# Allegro board MB1219_REVB_160112.brd (continued)
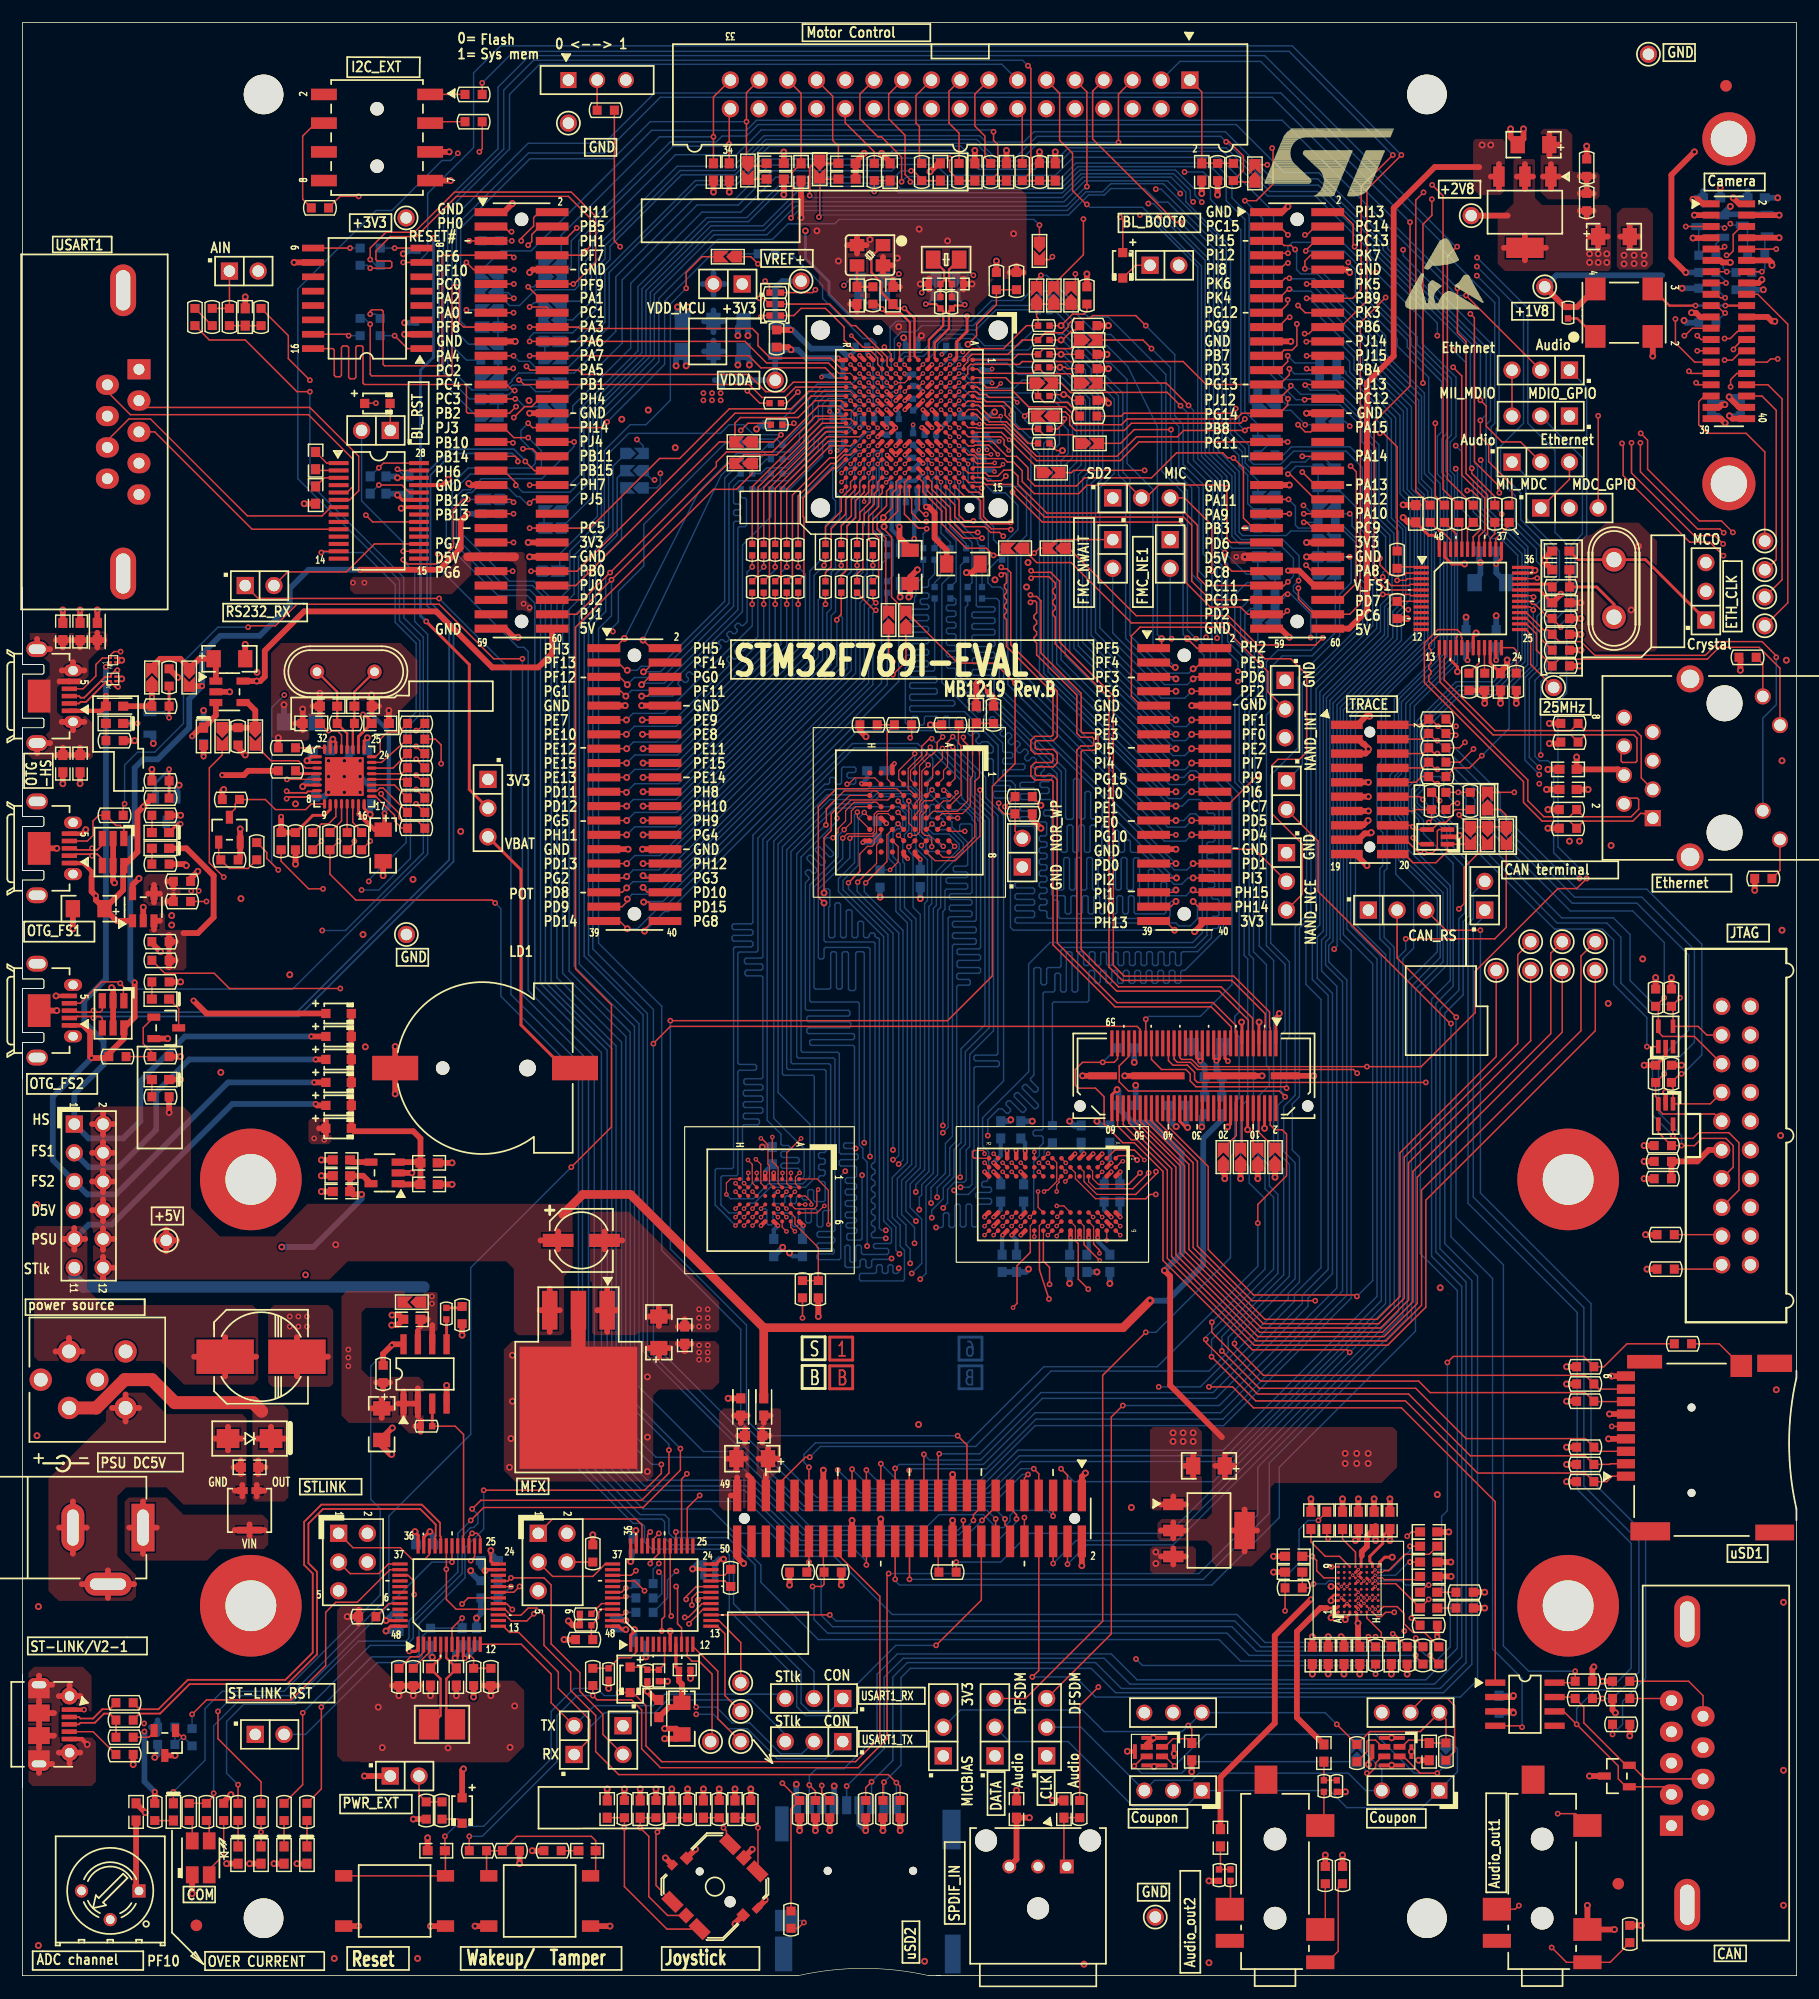
[diagram p0: board, top side]
## Routing (per net, layer and track width the routed paths; a pad name or vN(x,y) marks a point on that pad's centre or on a via; arc(x,y) is an arc through that point) (continued)
  L4_SIG w0.102: v3(73.21,132.89) 73.41,132.69 73.41,129.79 71.5,127.89 66.02,127.89 63.69,130.23 50.32,130.23 49.38,131.17 46.18,131.17 45.06,132.28 44.65,132.28 44.17,131.8 v1(43.61,131.8) ; v1(124.61,157.1) 123.11,157.1 122.2,158.01 107.47,158.01 105.79,156.34 104.04,156.34 v1(103.5,156.87) ; v1(113.41,137.16) 115.14,137.16 118.82,140.84 v1(123.83,140.84)
  BOTTOM w0.127: v1(103.5,156.87) 103.25,157.12 103.25,157.86 101.76,159.35 93.61,159.35 91.92,157.66 77.47,157.66 76.89,158.24 67.31,158.24 64.19,155.12 60.71,155.12 54.76,149.17 54.76,143.54 49.63,138.4 49.63,132.41 48.41,131.19 44.22,131.19 v1(43.61,131.8) ; 111,138.56 111.12,138.43 112.14,138.43 v1(113.41,137.16) 114.53,137.16 SB55.1
PH7: length 166.1
  TOP w0.127: R46.2 123.19,131.32 123.19,157.02 v1(123.88,157.71) ; v3(74.01,132.89) U4.N13 ; CN5.40 v1(44.83,131.83)
  L4_SIG w0.102: v1(44.83,131.83) 45.92,130.73 49.25,130.73 50.14,129.84 63.53,129.84 65.87,127.51 71.81,127.51 74.01,129.71 v3(74.01,132.89) ; v1(123.88,157.71) 123.29,158.29 107.24,158.29 105.79,156.84 v1(104.27,156.84)
  BOTTOM w0.127: v1(44.83,131.83) 48.36,131.83 49.28,132.74 49.28,138.56 54.41,143.69 54.41,149.38 60.5,155.47 64.03,155.47 67.08,158.52 77.16,158.52 77.67,158.01 91.82,158.01 93.49,159.68 101.94,159.68 103.66,157.96 103.66,157.45 v1(104.27,156.84)
PI4: length 135.6
  TOP w0.102: 93.09,65.01 93.09,66.26 U15.F8
  TOP w0.127: 93.09,65.01 93.34,64.75 93.34,61.59 v1(94.23,60.71) ; v3(82.81,141.69) U4.C3 ; CN11.17 v4(101.98,107.24)
  L4_SIG w0.102: v4(101.98,107.24) 102.46,107.72 104.85,107.72 106.78,105.79 106.78,83.59 107.44,82.93 107.44,73.66 106.78,73 106.78,67.44 106.65,67.31 105.79,67.31 105.66,67.44 105.66,68.96 105.54,69.09 105.29,69.09 105.16,68.96 105.16,67.43 105.04,67.31 104.88,67.31 104.76,67.43 104.76,69.77 104.65,69.88 104.45,69.88 104.35,69.77 104.35,68.96 104.25,68.86 104.05,68.86 103.94,68.96 103.94,69.77 103.84,69.88 103.64,69.88 103.54,69.77 103.54,68.96 103.44,68.86 103.23,68.86 103.13,68.96 103.13,69.77 103.03,69.88 102.83,69.88 102.72,69.77 102.72,68.96 102.62,68.86 102.42,68.86 102.32,68.96 102.32,69.77 102.22,69.88 102.01,69.88 101.91,69.77 101.91,68.96 101.81,68.86 101.61,68.86 101.51,68.96 101.51,69.77 101.4,69.88 101.2,69.88 101.1,69.77 101.1,68.96 101,68.86 100.79,68.86 100.69,68.96 100.69,69.77 100.59,69.88 99.87,69.88 99.75,69.75 99.75,65.58 94.87,60.71 v1(94.23,60.71)
  BOTTOM w0.127: v3(82.81,141.69) 83.23,141.69 84.53,140.39 87.68,140.39 88.39,141.1 90.55,141.1 91.44,140.21 91.44,139.6 91.84,139.21 92.41,139.21 92.84,138.78 92.84,134.24 92.2,133.6 92.2,116.71 101.68,107.24 v4(101.98,107.24)
PI5: length 134.8
  TOP w0.102: U15.F2 92.66,71.43 93.09,70.99 93.09,70.48 94.87,68.71 97.73,68.71
  TOP w0.127: CN11.15 v4(101.98,108.51) ; v3(82.01,141.69) U4.D3 ; v1(100.2,69.09) 99.69,69.09 99.31,68.71 97.73,68.71
  L4_SIG w0.102: v1(100.2,69.09) 100.13,69.01 100.13,66.67 100.25,66.55 100.46,66.55 100.58,66.67 100.58,68.43 100.71,68.55 100.89,68.55 101.02,68.43 101.02,66.67 101.14,66.55 101.31,66.55 101.43,66.67 101.43,68.45 101.53,68.55 101.73,68.55 101.83,68.45 101.83,66.67 101.95,66.55 102.12,66.55 102.24,66.67 102.24,68.45 102.34,68.55 102.55,68.55 102.65,68.45 102.65,66.67 102.77,66.55 102.93,66.55 103.05,66.67 103.05,68.45 103.16,68.55 103.36,68.55 103.46,68.45 103.46,66.67 103.58,66.55 103.75,66.55 103.87,66.67 103.87,68.45 103.97,68.55 104.17,68.55 104.27,68.45 104.27,66.55 104.4,66.42 107.04,66.42 107.16,66.55 107.16,72.87 107.82,73.53 107.82,83.16 107.16,83.82 107.16,106.12 105.26,108.03 102.08,108.03 101.98,108.13 v4(101.98,108.51)
  BOTTOM w0.127: v3(82.01,141.69) 82.41,142.09 83.74,142.09 84.27,142.61 87.03,142.61 88.04,141.6 91.12,141.6 91.46,141.27 91.46,141.27 93.6,139.13 93.6,133.6 92.96,132.97 92.96,117.4 101.85,108.51 v4(101.98,108.51)
PI8: length 231.3
  TOP w0.127: CN6.9 111.15,150.88 111.73,151.46 v1(111.89,151.46) ; U4.C2 v3(82.81,142.49)
  L4_SIG w0.102: v1(128.61,151.94) 113.06,151.94 112.57,151.46 v1(111.89,151.46) 111.84,151.51 110.26,151.51 109.55,152.22 93.55,152.22 91.57,150.24 91.57,148.84 90.3,147.57 86.11,147.57 82.73,144.2 82.73,142.57 v3(82.81,142.49) ; v1(57.81,35.76) 58.14,35.43 69.34,35.43 71.88,37.97 86.74,37.97 99.44,50.67 105.92,50.67 117.12,61.87 117.12,85.85 125.6,94.34 125.6,95.17 132.54,102.11 132.54,106.25 v1(134.24,107.95)
  BOTTOM w0.127: v1(134.24,107.95) 134.24,114.43 135.51,115.7 135.51,119.89 136.53,120.9 136.53,126.62 135.51,127.64 135.51,134.87 133.1,137.29 133.1,147.46 v1(128.61,151.94) ; R296.1 57.02,33.4 57.02,34.98 v1(57.81,35.76)
PI12: length 209.2
  TOP w0.127: U4.E3 v3(81.21,141.69) ; CN6.7 111.1,152.15 111.28,152.32 v1(111.89,152.32) ; v1(78.42,35.05) CN18.26
  L4_SIG w0.102: v1(111.89,152.32) 110.49,152.32 109.96,152.86 92.66,152.86 90.55,150.75 90.55,149.86 89.28,148.59 86.03,148.59 81.97,144.53 81.97,143.76 81.65,143.45 81.65,142.13 v3(81.21,141.69)
  BOTTOM w0.127: v1(78.42,35.05) 104.39,35.05 110.24,40.89 110.24,45.34 122.81,57.91 122.81,87.5 125.35,90.04 125.35,95.5 121.92,98.93 121.92,102.23 121.62,102.54 121.62,105.99 121.92,106.3 121.92,112.62 125.96,116.66 125.96,132.46 125.48,132.94 125.48,135.92 125.96,136.4 125.96,141.05 122.77,144.24 122.77,144.82 118.75,148.84 118.75,151.26 116.71,153.29 112.27,153.29 111.89,152.91 v1(111.89,152.32)
PI13: length 216.5
  TOP w0.127: v1(77.15,35.05) CN18.28 ; v1(117.78,152.91) 117.65,153.03 117.65,154.86 116.56,155.96 CN6.2 ; U4.G3 v3(79.61,141.69)
  L4_SIG w0.102: v3(79.61,141.69) 79.61,141.75 80.04,142.18 80.04,144.04 80.52,144.53 80.52,146.05 82.68,148.21 84.2,148.21 85.98,149.99 88.39,149.99 91.97,153.57 110.49,153.57 110.9,153.16 117.53,153.16 v1(117.78,152.91)
  BOTTOM w0.127: v1(77.15,35.05) 77.15,34.92 77.53,34.54 105.16,34.54 111.12,40.51 111.12,44.96 123.16,57 123.16,87.22 125.6,89.66 125.6,95.76 122.17,99.19 122.17,102.44 121.87,102.74 121.87,105.61 122.3,106.05 122.3,112.5 126.34,116.54 126.34,132.54 125.86,133.02 125.86,135.76 126.34,136.25 126.34,141.22 123.3,144.26 123.3,144.92 119.13,149.1 119.13,151.56 v1(117.78,152.91)
PI14: length 165.8
  TOP w0.127: CN18.32 v1(74.61,36.32) ; v1(44.7,137.29) 45.09,136.91 CN5.32 51.18,136.91 v1(51.69,137.41)
  BOTTOM w0.127: v1(74.61,36.32) 74.61,36.64 73.66,37.59 68.45,37.59 64.11,41.94 54.97,41.94 51.18,45.72 51.18,81.64 45.29,87.53 45.29,121.08 45.28,121.09 45.28,121.39 44.62,122.05 42.04,122.05 37.47,126.62 37.47,131.4 39.39,133.32 44.93,133.32 45.34,133.73 45.34,134.59 44.07,135.86 44.07,136.65 v1(44.7,137.29) ; R228.1 60.96,152.27 56.77,148.08 56.77,142.49 v1(51.69,137.41)
PK7: length 235.9
  TOP w0.127: CN6.8 113.89,152.15 113.39,151.64 v1(113.39,150.95) ; R162.2 v1(82.55,36.58) ; U4.C4 v3(82.81,140.89) ; v1(117.35,55.12) 117.12,55.35 108.74,55.35 100.84,63.25 100.84,71.12 98.3,73.66 97.28,73.66 95.63,75.31 95.63,77.72 94.87,78.49 93.34,78.49 93.09,78.74 93.09,80.14 93.73,80.77 v1(95.5,80.77) 96.52,80.77 96.82,81.07 CN15.57
  L4_SIG w0.102: v1(113.39,150.95) 113.06,150.62 108.25,150.62 106.35,148.72 94.11,148.72 93.09,147.7 91.57,147.7 87.2,143.33 85.34,143.33 82.9,140.89 v3(82.81,140.89)
  BOTTOM w0.127: v1(95.5,80.77) R290.1 ; v1(113.39,150.95) 114.6,150.95 120.52,145.03 120.52,143.38 123.95,139.95 123.95,132.84 124.84,131.95 124.84,117.47 120.52,113.16 120.52,106.93 120.14,106.55 120.14,101.85 120.65,101.35 120.65,97.92 120.4,97.66 120.4,91.82 121.28,90.93 121.28,59.05 v1(117.35,55.12) 101.35,39.12 89.03,39.12 86.49,36.58 v1(82.55,36.58)
PWR_ENN: length 14.9
  TOP w0.127: R155.2 38.25,48.59 38.99,47.85 38.99,38.89 38.97,38.87 U21.28
  TOP w0.254: U17.3 R155.2
RESET#: length 398.4
  TOP w0.127: R125.2 20.71,100.2 21.59,99.33 21.59,98.81 v1(22.61,97.79) ; v1(133.58,120.78) 133.31,121.04 U6.29 ; R102.2 126.62,106.81 127.94,106.81 v1(129.03,107.89) ; U4.J1 77.54,142.96 77.54,144.21 v3(77.5,144.25) ; CN18.36 72.07,37.27 75.8,33.55 75.8,21.07 73.65,18.92 56.52,18.92 55.12,20.32 55.12,23.88 53.96,25.04 D14.2 v1(52.7,25.04) ; v1(31.24,139.06) 30.27,139.06 D2.1 ; v1(37.34,12.32) C99.2 37.39,10.99 B1.3 B1.2 ; U21.18 39.4,33.41 v1(38.86,32.87)
  L4_SIG w0.102: v1(52.7,25.04) 52.7,25.65 50.79,27.56 44.68,27.56 41.12,31.11 39.62,31.11 39.37,31.37 39.37,32.36 v1(38.86,32.87) 36.55,32.87 32.84,36.57 32.84,43.05 30.81,45.09 30.81,63.04 27.56,66.29 27.56,86.61 27.33,86.84 27.33,93.07 v1(22.61,97.79) ; v1(23.14,113.26) 22.05,114.35 22.05,118.06 30.86,126.87 30.86,135.13 31.24,135.51 v1(31.24,139.06) 31.24,141.73 35.46,145.95 35.46,146.36 42.51,153.42 v1(43.26,153.42) 43.28,153.42 43.76,153.9 54.74,153.9 55.27,153.37 68,153.37 74.42,146.94 76.07,146.94 76.96,146.05 76.96,145.03 77.5,144.5 v3(77.5,144.25) 77.78,143.97 79.45,143.97 80.14,144.65 80.14,146.3 82.42,148.59 84.07,148.59 85.72,150.24 87.91,150.24 91.59,153.92 110.97,153.92 111.4,153.49 118.16,153.49 119.02,152.63 v1(122.07,152.63)
  BOTTOM w0.127: v1(43.26,153.42) R226.1 ; v1(129.03,107.89) 131.44,110.31 131.44,113.79 133.58,115.93 v1(133.58,120.78) 133.58,121.01 134.37,121.79 134.37,124.59 133.86,125.09 133.86,126.17 131.31,128.73 130.56,128.73 129.41,129.87 129.41,137.16 129.79,137.54 129.79,144.4 122.07,152.12 v1(122.07,152.63) ; v1(37.34,12.32) 38.23,13.21 40.77,13.21 46.74,19.18 46.74,23.37 48.77,25.4 50.8,25.4 51.44,24.77 52.43,24.77 v1(52.7,25.04) ; v1(22.61,97.79) 22.02,98.37 22.02,112.14 v1(23.14,113.26)
STL_USB_DM: length 45.4
  TOP w0.155: R187.2 10.35,23.56 12,23.56 14.61,26.16 23.24,26.16 25.65,28.57 25.65,35.56 24.89,36.32 24.89,40.13 26.42,41.66 35.31,41.66 36.91,40.05 36.91,38.9 36.97,38.84 U21.32
STL_USB_DP: length 44.8
  TOP w0.155: R188.2 10.35,23.18 12.16,23.18 14.76,25.78 23.4,25.78 26.04,28.42 26.04,35.72 25.27,36.48 25.27,39.97 26.57,41.27 35.15,41.27 36.53,39.89 36.53,38.9 36.47,38.84 U21.33
STLINK_RX: length 39.2
  TOP w0.127: U21.13 42.5,30.9 43.05,30.35 43.87,30.35 47.37,26.85 47.37,25.4 50.16,22.61 50.16,20.95 CN23.1
  BOTTOM w0.127: JP26.3 67.44,21.34 64.39,24.38 57.02,24.38 55.88,23.24 51.44,23.24 50.04,21.84 50.04,20.83 CN23.1
STLINK_TX: length 32.8
  TOP w0.127: U21.12 44.1,29.3 46.74,26.67 46.74,24.13 CN23.2
  BOTTOM w0.127: CN23.2 50.55,23.88 55.75,23.88 56.77,24.89 67.06,24.89 JP21.3
STM_JTCK_SWCLK: length 6.2
  TOP w0.127: CN20.3 28.96,35.56 31.5,35.56 32.34,36.41 U21.37
STM_JTMS_SWDIO: length 9.9
  TOP w0.127: U21.34 35.97,37.24 35.56,36.83 34.42,36.83 33.4,37.85 29.21,37.85 CN20.1
STM_RST: length 24.3
  TOP w0.127: v1(38.86,31.62) 37.97,30.73 U21.7
  BOTTOM w0.127: v1(38.86,31.62) C177.2 R297.1 35.31,29.97 35.31,28.19 34.8,27.69 31.37,27.69 25.02,21.34 JP28.2
T_JRST: length 211.7
  TOP w0.127: R110.2 126.42,103.68 v1(126.87,103.68) ; v1(43.94,34.42) 43.43,33.9 U21.19 ; SB16.1 92.74,132.92 92.94,133.12 v1(99.21,133.12)
  L4_SIG w0.102: v1(99.21,133.12) 106.35,133.12 107.14,132.33 112.24,132.33 112.75,131.83 119.76,131.83 121.74,133.81 128.7,133.81 v1(128.93,134.04) ; v1(43.94,34.42) 44.45,34.42 45.21,35.18 48.39,35.18 50.93,37.72 50.93,39.8 53.42,42.29 58.8,42.29 60.66,44.15 80.16,44.15 82.14,46.13 86.08,46.13 98.78,58.83 105.05,58.83 108.51,62.28 108.51,71.75 109.25,72.49 109.25,77.34 110.11,78.21 110.11,85.34 115.24,90.47 115.24,95.91 118.19,98.86 124.13,98.86 124.61,99.34 124.61,101.42 v1(126.87,103.68)
  BOTTOM w0.127: v1(126.87,103.68) 126.67,103.68 125.65,104.7 125.65,105.71 125.32,106.05 124.54,106.05 124.23,106.35 124.23,110.39 127.13,113.28 130.43,113.28 133.1,115.95 133.1,126.36 131.14,128.32 130.45,128.32 129.03,129.74 129.03,133.93 v1(128.93,134.04)
U5V_ST_LINK: length 36.3
  TOP w0.508: 35.83,58.04 C54.2 35.18,57.43 ; U17.7 34.95,57.02 ; 36.22,57.53 U17.6
  BOTTOM w1.016: 35.48,60.91 5.38,60.91 4.57,61.72 JP20.11
  vias: v1(36.2,60.07) v1(36.2,59.44)
USB_RENUMN: length 27.7
  TOP w0.127: U21.38 32.48,35.9 29.59,33.02 27.69,33.02 26.8,32.13 26.8,27.43 23.75,24.38 16.26,24.38 v1(14.99,23.11)
  BOTTOM w0.127: R299.2 v1(14.99,23.11)
VREF+: length 16.3
  TOP w0.381: U4.P1 73.61,142.89 v3(73.21,143.29)
  TOP w0.508: R33.2 v1(67.94,145.54)
  BOTTOM w0.381: v3(73.21,143.29) 73.21,143.31 73.66,143.76 C108.2
  BOTTOM w0.508: v3(73.21,143.29) 72.87,143.29 72.26,143.89 69.72,143.89 68.07,145.54 v1(67.94,145.54) 67.18,146.3 C103.1 66.55,149.22 67.18,149.86 TP5.1
VUSB_ST_LINK: length 85.9
  TOP w0.381: CN22.1 v1(5.43,23.52)
  TOP w0.508: 31.75,49.33 C58.1 ; C58.1 30.78,50.16 ; C58.1 31.75,51 ; C58.1 32.72,50.16 ; R155.1 35.2,49.07 ; R155.1 34.72,48.59 ; R155.1 35.2,48.11 ; 26.2,74.93 D12.1 ; D12.1 26.82,74.32 ; D12.1 26.82,75.54 ; U17.2 34.95,51.94 ; U17.2 34.95,49.5 ; U17.2 34.47,50.59 ; 33.68,49.5 U17.1 ; U17.1 34.16,50.59 ; U17.1 33.68,51.68 ; U17.1 33.2,50.59 ; 31.88,51.85 R152.1 ; R152.1 32.49,52.45 ; R152.1 31.27,52.45 ; R209.1 v1(11.68,16.26)
  L4_SIG w1.016: 28.83,56.39 28.83,60.83 25.4,64.26 25.4,72.52 25.78,72.9 v1(25.78,74.04) ; 11.68,22.48 14.99,25.78 22.99,25.78 26.15,28.94 26.15,43.19 28.83,45.87 28.83,52.73
  BOTTOM w0.508: R298.2 11.94,22.58 ; R298.2 11.34,21.97 ; R298.2 11.94,21.36 ; v1(11.68,16.26) 10.77,17.17 v1(10.77,21.59)
  vias: v1(10.74,22.3) v1(26.67,73.91) v1(28.8,55.37) v1(28.8,54.66) v1(28.8,53.9)

## Copper pours and planes (outline as drawn; the poured copper is in the pictures)
+1V8 on TOP: 105.16,36.58 105.16,37.97 104.65,38.48 100.58,38.48 100.33,38.73 100.33,40.01 100.71,40.39 104.65,40.39 105.16,40.89 105.16,48.21 105.46,48.51 121.16,48.51 121.54,48.13 121.54,44.96 120.14,43.56 110.74,43.56 110.36,43.18 110.36,37.87 108.69,36.2 105.54,36.2
+1V8 on BOTTOM: 115.7,47.75 120.52,47.75 121.28,46.99 121.28,32.72 119.05,30.48 115.82,30.48 114.94,31.37 114.94,46.99
+1V8 on BOTTOM: 154.56,159.38 154.81,159.13 154.81,156.72 154.56,156.46 148.13,156.46 147.32,155.65 147.32,119.13 139.01,110.82 139.01,100.3 138.53,99.82 136.4,99.82 136.02,100.2 136.02,111.46 143.89,119.33 143.89,153.85 143.76,153.97 143.76,158.37 144.78,159.38
+1V8 on L4_SIG: 135.89,101.47 137.79,101.47 138.3,100.97 138.3,97 131.42,90.12 130,90.12 123.06,83.19 123.06,47.75 119.51,44.2 116.46,44.2 115.82,44.83 115.82,45.97 119.25,49.4 119.25,85.98 128.79,95.52 129.93,95.52
+2V8 on TOP: 140.08,156.59 140.46,156.21 140.46,151 140.21,150.75 131.06,150.75 130.43,151.38 130.43,155.32 131.83,156.72 131.83,160.53 131.95,160.66 133.6,160.66 133.73,160.53 133.73,157.23 134.37,156.59
+2V8 on L3_VCC: 136.76,137.16 134.87,139.04 134.87,156.1 137.27,158.5 156.34,158.5 156.34,148.34 156.34,148.33 156.34,146.18 156.21,146.05 153.03,146.05 152.15,145.16 152.15,137.77 151.53,137.16
+3V3 on TOP: 99.69,35.81 99.69,37.72 99.95,37.97 103.5,37.97 103.76,37.72 103.76,35.81 103.5,35.56 99.95,35.56
+3V3 on TOP: 43.31,56.13 61.21,56.13 61.59,55.75 61.59,52.45 60.96,51.82 56.26,51.82 55.75,51.31 55.75,44.2 55.24,43.69 43.56,43.69 42.55,44.7 42.55,55.37
+3V3 on L3_VCC: 0.51,0.51 0.51,13.93 29.55,13.93 31.33,15.72 31.33,26.01 31.97,26.65 40.54,26.65 42.5,28.61 42.5,40.06 41.02,41.54 26.76,41.54 24.07,44.24 24.07,69.76 22.46,71.36 0.51,71.36 0.51,82.03 2,82.03 2.39,82.43 2.39,83.5 2,83.9 0.51,83.9 0.51,86.78 2,86.78 2.39,87.18 2.39,88.25 2,88.65 0.51,88.65 0.51,96.39 2,96.39 2.39,96.78 2.39,97.86 2,98.25 0.51,98.25 0.51,101.14 2,101.14 2.39,101.53 2.39,102.61 2,103 0.51,103 0.51,106.93 5.95,106.93 6.6,107.59 6.6,111.1 5.95,111.76 3.41,111.76 3.3,111.87 3.3,113.69 3.41,113.79 5.19,113.79 6.35,114.96 6.35,116.1 6.96,116.71 7.34,116.71 8,117.37 8,118.85 7.6,119.25 0.51,119.25 0.51,172.21 156.34,172.21 156.34,159 137.05,159 134.37,156.32 134.37,138.83 136.55,136.65 151.74,136.65 152.65,137.56 152.65,144.91 153.29,145.54 155.96,145.54 156.34,145.16 156.34,52.91 155.69,47.08 156.34,41.24 156.34,0.51 80.38,0.51 79.58,0.68 78.11,0.92 76.64,1.08 75.27,1.17 74.17,1.19 72.88,1.14 71.63,1.06 70.39,0.89 69,0.67 68.5,0.51 ; 1 cut-out
+3V3_ST_LINK on L3_VCC: 0.51,14.44 0.51,70.86 22.25,70.86 23.56,69.55 23.56,44.03 26.55,41.03 40.81,41.03 42,39.85 42,28.82 40.33,27.16 31.76,27.16 30.83,26.22 30.83,15.93 29.34,14.44
+5V on TOP: 130.68,157.48 128.78,157.48 128.27,157.99 128.27,162.23 128.47,162.43 130.86,162.43 131.06,162.23 131.06,157.86
+5V on TOP: 28.75,63.17 27.15,61.57 6.58,61.57 6.02,62.13 6.02,76.35 6.54,76.87 14.21,76.87 14.88,76.2 14.88,67.92 17.42,65.38 22.33,65.38 25.21,68.26 48.2,68.26 48.64,67.82 48.64,62.61 47.88,61.85 47.88,56.9 47.62,56.64 43.81,56.64 43.43,57.02 43.43,62.48 42.75,63.17
+5V on BOTTOM: 13.84,92.15 12.09,92.15 11.68,92.56 11.68,97.97 16.59,102.87 16.59,115.16 17.22,115.8 21.01,115.8 21.21,115.6 21.21,114.17 19.91,112.88 19.91,102.57 14.05,96.7 14.05,92.35
+5V on L4_SIG: 130.07,161.59 128.57,161.59 128.32,161.85 128.32,167.94 125.93,170.33 115.44,170.33 110.39,165.28 109.65,165.28 107.92,167 71.27,167 69.9,168.38 30.23,168.38 28.92,167.07 28.92,156.53 28.57,156.18 28.57,149.61 19.3,140.34 19.3,119.38 21.36,117.32 21.36,112.93 21.08,112.65 18.03,112.65 12.57,118.11 12.57,142.94 25.34,155.7 25.34,168.16 28.42,171.25 113.42,171.25 114.16,171.98 127.91,171.98 130.33,169.57 130.33,161.85
+5V on L4_SIG: 8.66,97.46 13.21,97.46 13.74,96.93 13.74,76.48 8.89,71.63 6.38,71.63 6.05,71.96 6.05,76.63 10.64,81.23 10.64,94.36 10.19,94.82 8.81,94.82 8.51,95.12 8.51,97.31
D5V on TOP: 106.93,125.98 108.08,125.98 108.2,125.86 108.2,124.97 108.08,124.84 106.93,124.84 106.81,124.97 106.81,125.86
D5V on TOP: 39.67,125.68 39.67,123.88 37.97,122.17 29.34,122.17 28.96,122.56 28.96,123.44 29.21,123.7 36.96,123.7 39.12,125.86 39.5,125.86
D5V on TOP: 42.93,125.91 44.22,125.91 44.58,125.55 44.58,121.62 45.06,121.13 45.06,120.7 44.88,120.52 43.97,120.52 43.64,120.85 43.64,122.58 43.66,122.61 43.66,124.69 43.31,125.04 43.03,125.04 42.93,125.15
D5V on BOTTOM: 14.68,95.22 15.21,95.22 21.54,101.55 21.54,112.12 22.89,113.46 22.89,116.71 28.47,122.3 30.48,122.3 30.73,122.56 30.73,123.32 30.35,123.7 27.69,123.7 21.84,117.86 21.84,113.92 20.42,112.5 20.42,102.06 14.43,96.06 14.43,95.48
D5V on L4_SIG: 106.93,125.98 108.33,125.98 108.58,125.73 108.58,124.59 105.92,121.92 97.16,121.92 95,119.76 62.36,119.76 60.2,121.92 48.23,121.92 46.58,120.27 44.07,120.27 43.94,120.4 43.94,121.54 44.2,121.79 45.82,121.79 46.96,122.94 60.83,122.94 62.74,121.03 94.11,121.03 96.14,123.06 104.9,123.06 106.81,124.97 106.81,125.86
D5V on L4_SIG: 14.71,96.47 15.6,96.47 15.82,96.24 15.82,73.36 8.64,66.17 3.81,66.17 3.4,66.57 3.4,68.99 3.73,69.32 8.36,69.32 14.58,75.54 14.58,96.34
GND on TOP (solid shape): 106.68,72.04 106.68,71.12 105.66,71.12 105.66,72.04 106.17,72.55
GND on TOP (solid shape): 108.2,72.04 108.2,71.12 107.19,71.12 107.19,72.04 107.7,72.55
GND on TOP (solid shape): 109.73,72.04 109.73,71.12 108.71,71.12 108.71,72.04 109.22,72.55
GND on TOP (solid shape): 111.25,72.04 111.25,71.12 110.24,71.12 110.24,72.04 110.74,72.55
GND on TOP: 54.48,56.9 54.23,56.64 50.55,56.64 50.36,56.83 50.36,61.28 50.16,61.47 50.16,67.31 50.42,67.56 53.59,67.56 61.59,59.56 61.59,57.15 61.34,56.9
GND on TOP: 0.89,16.76 0.51,17.14 0.51,26.8 1.02,27.3 5.33,27.3 6.1,26.54 6.1,23.37 3.3,23.37 3.18,23.24 3.18,21.08 6.1,21.08 6.48,20.7 6.48,17.14 6.1,16.76
GND on TOP: 141.48,156.34 143.64,156.34 144.15,155.83 144.15,151.38 143.64,150.88 141.22,150.88 140.97,151.13 140.97,155.83
GND on TOP: 68.55,152.3 68.55,156.95 69.6,157.99 88.27,157.99 88.77,157.48 88.77,150.24 88.58,150.05 85.92,150.05 85.34,149.48 85.34,148.59 84.2,147.45 84.2,146.94 81.79,144.53 77.6,144.53 77.47,144.65 77.47,144.91 75.95,146.43 73.53,146.43 70.41,149.56 70.41,150.44 ; 2 cut-outs
GND on TOP: 22.23,59.31 27,59.31 27.46,58.85 27.46,52.35 27.18,52.07 22.1,52.07 21.72,52.45 21.72,58.8
GND on TOP: 22.86,117.86 33.4,117.86 34.92,116.33 34.92,113.41 32.89,111.38 30.48,111.38 30.48,112.78 26.8,112.78 26.8,111.38 25.53,111.38 25.34,111.19 25.34,109.41 25.15,109.22 22.35,109.22 21.97,109.6 21.97,116.97
GND on TOP: 42.95,18.87 29.92,18.87 29.87,18.92 28.32,18.92 27.81,19.43 27.81,32.33 28.12,32.64 30,32.64 30.34,32.3 30.34,28.63 32.88,26.09 43.48,26.09 44.35,25.22 44.35,20.27 ; 1 cut-out
GND on TOP: 99.69,41.4 99.69,48.26 99.95,48.51 103.89,48.51 104.27,48.13 104.27,41.4 104.01,41.15 99.95,41.15
GND on TOP: 144.53,126.87 144.53,117.35 144.27,117.09 137.79,117.09 137.29,117.6 137.29,126.49 137.34,126.49 138.1,127.23 138.79,127.48 139.6,128.09 140,128.5 142.9,128.5
GND on BOTTOM: 31.22,25.98 43.89,25.98 44.86,25.02 44.86,19.86 44.22,19.23 30.99,19.23 30.53,19.68 30.53,25.3
GND on BOTTOM: 24.92,117.91 32.44,117.91 33.63,116.71 33.63,112.55 32.64,111.56 24.43,111.56 24.42,111.57 24.23,111.57 23.94,111.86 22.66,111.86 22.56,111.96 22.56,112.34 23.22,113 23.22,116.2
GND on L2_GND: 0.51,0.51 0.51,82.03 2,82.03 2.39,82.43 2.39,83.5 2,83.9 0.51,83.9 0.51,86.78 2,86.78 2.39,87.18 2.39,88.25 2,88.65 0.51,88.65 0.51,96.39 2,96.39 2.39,96.78 2.39,97.86 2,98.25 0.51,98.25 0.51,101.14 2,101.14 2.39,101.53 2.39,102.61 2,103 0.51,103 0.51,106.93 5.95,106.93 6.6,107.59 6.6,111.1 5.95,111.76 3.41,111.76 3.3,111.87 3.3,113.69 3.41,113.79 5.19,113.79 6.35,114.96 6.35,116.1 6.96,116.71 7.34,116.71 8,117.37 8,118.85 7.6,119.25 0.51,119.25 0.51,172.21 156.34,172.21 156.34,52.91 155.69,47.08 156.34,41.24 156.34,0.51 80.32,0.51 79.89,0.61 78.57,0.85 77.48,1 76.48,1.09 74.91,1.19 73.63,1.18 72.83,1.16 71.88,1.07 70.18,0.86 69.46,0.74 68.51,0.51
GND on L4_SIG: 56.64,139.57 58.93,137.29 65.99,137.29 66.55,136.73 66.55,135.13 66.04,134.62 56.54,134.62 54.31,136.86 44.53,136.86 43.99,137.39 43.99,138.4 44.18,138.6 44.18,139.23 44.53,139.57
GND on L4_SIG: 49.91,82.42 53.34,78.99 53.34,69.34 64.9,57.78 88.14,57.78 88.77,57.15 88.77,49.66 87.25,48.13 79.76,48.13 76.23,44.6 71.91,44.6 71.63,44.32 58.45,44.32 56.79,42.67 52.96,42.67 49.85,39.56 49.85,38.04 49.63,37.82 42.81,37.82 41.9,38.73 36.07,38.73 35.81,39 35.81,44.82 33.77,46.86 33.77,65.93 29.72,69.98 29.72,93.42 39.5,103.2 39.5,105.28 43.43,109.22 48.51,109.22 49.91,107.82
GND on L4_SIG: 1.14,0.64 0.64,1.14 0.64,81.76 0.81,81.94 2.01,81.94 2.49,82.42 2.49,83.52 1.98,84.02 0.66,84.02 0.56,84.12 0.56,86.41 0.76,86.61 2.01,86.61 2.57,87.17 2.57,88.29 2.11,88.75 0.81,88.75 0.64,88.93 0.64,96.22 0.71,96.29 2.01,96.29 2.49,96.77 2.49,97.84 1.98,98.35 1.98,100.99 2.49,101.5 2.49,102.69 2.01,103.17 0.91,103.17 0.64,103.45 0.64,107.95 0.76,108.08 2.16,108.08 2.54,108.46 2.54,152.65 2.79,152.91 12.83,152.91 13.46,152.27 13.46,145.03 11.68,143.26 11.68,118.87 10.16,117.35 10.16,111.81 16.54,105.44 18.54,105.44 18.95,105.03 18.95,104.62 18.49,104.17 10.77,104.17 8.79,102.18 7.11,102.18 5.54,100.61 5.54,98.09 6.17,97.46 6.17,95.55 5.69,95.07 5.69,82.65 4.78,81.74 4.78,78.71 2.77,76.71 2.77,66.19 3.68,65.28 8.64,65.28 16.76,73.41 16.76,95.76 17.65,96.65 22.48,96.65 24.61,94.51 24.61,74.14 24.64,74.12 24.64,63.25 26.16,61.72 26.16,44.45 25.4,43.69 25.4,33.02 32.89,33.02 36.27,29.64 40.21,29.64 44.45,25.4 45.59,25.4 45.59,26.92 46.35,27.69 53.98,27.69 55.24,28.96 58.29,28.96 59.31,27.94 59.31,21.34 66.04,21.34 66.04,33.53 66.42,33.91 70.1,33.91 70.48,34.29 70.48,35.69 72.52,37.72 86.49,37.72 98.93,50.16 111.05,50.16 112.06,49.15 112.06,33.91 112.48,33.49 114.05,35.05 115.95,35.05 116.08,34.92 116.08,34.29 117.09,33.27 118.11,33.27 118.36,33.02 118.36,29.72 121.92,26.16 125.22,26.16 125.95,25.44 125.95,25.26 126.75,24.46 127.38,24.46 127.38,31.22 125.06,33.54 125.06,34.79 124.33,35.51 124.33,78.28 138.81,92.76 138.81,101.6 138.3,102.11 133.99,102.11 133.48,102.62 133.48,106.88 134.59,108 136.32,108 139.66,111.34 140.07,111.34 141.48,112.75 143.28,112.75 146.48,115.95 154.43,115.95 156.08,117.6 156.34,117.6 156.34,53.08 156.08,51.94 155.83,50.67 155.57,48.39 155.57,46.74 155.83,43.43 155.96,42.29 156.21,41.15 156.21,1.02 155.83,0.64 80.01,0.64 78.87,0.89 76.71,1.14 75.31,1.27 72.64,1.27 71.25,1.14 69.85,0.89 68.58,0.64 ; 1 cut-out
GND on L4_SIG: 23.75,118.49 33.02,118.49 33.99,117.53 33.99,113.11 30.81,109.93 30.81,103.58 30.1,102.87 24.21,102.87 23.75,103.33 23.75,106.81 22.1,108.46 22.1,112.09 22.83,112.83 22.83,117.58
GND on L5_GND: 0.51,0.51 0.51,82.03 2,82.03 2.39,82.43 2.39,83.5 2,83.9 0.51,83.9 0.51,86.78 2,86.78 2.39,87.18 2.39,88.25 2,88.65 0.51,88.65 0.51,96.39 2,96.39 2.39,96.78 2.39,97.86 2,98.25 0.51,98.25 0.51,101.14 2,101.14 2.39,101.53 2.39,102.61 2,103 0.51,103 0.51,106.93 5.95,106.93 6.6,107.59 6.6,111.1 5.95,111.76 3.41,111.76 3.3,111.87 3.3,113.69 3.41,113.79 5.19,113.79 6.35,114.96 6.35,116.1 6.96,116.71 7.34,116.71 8,117.37 8,118.85 7.6,119.25 0.51,119.25 0.51,172.21 156.34,172.21 156.34,52.91 155.69,47.08 156.34,41.24 156.34,0.51 80.39,0.51 79.64,0.67 78.26,0.9 77.18,1.05 75.52,1.16 74.52,1.18 73.43,1.16 72.76,1.14 72.2,1.1 70.48,0.89 69.47,0.76 68.45,0.51
VBUS_FS2 on TOP (solid shape): 15.24,113.54 14.22,113.54 14.22,114.9 14.73,114.39 15.24,114.9
VDD_MCU on BOTTOM: 59.56,149.86 60.58,150.88 61.85,150.88 62.36,150.37 62.36,139.06 62.1,138.81 59.82,138.81 59.56,139.06
VDD_MCU on L3_VCC: 58.78,130.3 58.17,130.92 58.17,150.52 58.78,151.13 61.87,151.13 62.23,150.77 62.23,148.23 62.89,147.57 71.73,147.57 74.27,150.11 87.78,150.11 89.41,148.48 89.41,131.93 87.78,130.3
CEC on TOP (solid shape): 94.52,135.51 94.01,135 93.09,135 93.09,136.02 94.01,136.02
D2_P on BOTTOM (solid shape): 116.59,129.67 115.22,129.67 115.73,130.18 115.22,130.68 116.59,130.68
DSI_VDD12 on BOTTOM: 78.38,132.56 78.49,132.46 78.49,132.21 78.28,132 77.24,132 76.66,132.59 76.66,133.27 76.2,133.73 76.2,134.67 76.53,135 77.55,135 77.84,134.71 77.84,132.73 78,132.56
E5V on TOP: 20.83,52.7 20.83,58.8 20.32,59.31 7.11,59.31 5.72,60.71 5.72,65.79 5.21,66.29 1.27,66.29 1.02,66.04 1.02,54.74 1.4,54.36 12.19,54.36 14.29,52.26 20.38,52.26
LCD_BL_CTRL on BOTTOM (solid shape): 116.59,123.44 115.22,123.44 115.73,123.95 115.22,124.46 116.59,124.46
LCD_G0 on TOP (solid shape): 93.22,148.5 92.71,149 92.2,148.49 92.2,149.86 93.22,149.86
LCD_G1 on TOP (solid shape): 131.7,99.57 130.68,99.57 130.68,100.93 131.19,100.42 131.7,100.93
LCD_G2 on TOP (solid shape): 109.47,159.04 109.47,158.12 108.46,158.12 108.46,159.04 108.97,159.54
LCD_G4 on BOTTOM (solid shape): 53.69,131.57 54.19,131.06 52.83,131.06 52.83,132.08 54.2,132.08
LCD_G5 on BOTTOM (solid shape): 53.69,133.09 54.19,132.59 52.83,132.59 52.83,133.6 54.2,133.6
LCD_G7 on TOP (solid shape): 61.94,152.02 62.45,151.51 61.09,151.51 61.09,152.53 62.45,152.53
LCD_R0 on TOP (solid shape): 90.42,151.26 89.41,151.26 89.41,152.62 89.91,152.11 90.42,152.62
LCD_R1 on TOP (solid shape): 63.34,135.64 63.85,135.13 62.48,135.13 62.48,136.14 63.85,136.14
LCD_R2 on TOP (solid shape): 63.34,133.73 63.85,133.22 62.48,133.22 62.48,134.24 63.85,134.24
LCD_R4 on BOTTOM (solid shape): 55.37,134.11 54.01,134.11 54.52,134.62 54.01,135.13 55.37,135.13
LCD_R7 on TOP (solid shape): 78.61,119.8 78.11,120.3 77.6,119.79 77.6,121.16 78.61,121.16
MIC_CLK on BOTTOM (solid shape): 118.49,19.59 117.98,20.1 117.47,19.59 117.47,20.95 118.49,20.95
MIC_DATA on BOTTOM (solid shape): 126.36,20.03 125.86,19.53 125.35,20.03 125.35,20.95 126.36,20.95
NETC5_1 on TOP: 134.49,163.32 136.53,163.32 137.03,162.81 137.03,159.64 137.16,159.51 139.19,159.51 139.45,159.26 139.45,157.35 139.19,157.1 134.87,157.1 134.24,157.73 134.24,163.07
NETC6_2 on TOP (solid shape): 64.64,159.99 64.14,159.48 63.63,159.99 63.63,160.91 64.64,160.91
NETC6_2 on BOTTOM (solid shape): 40.86,145.79 41.37,145.29 40.01,145.29 40.01,146.3 41.37,146.3
NETC7_2 on TOP (solid shape): 70.99,160.12 70.48,159.61 69.98,160.12 69.98,161.04 70.99,161.04
NETC7_2 on BOTTOM (solid shape): 116.59,132.72 115.22,132.72 115.73,133.23 115.22,133.73 116.59,133.73
NETC8_2 on BOTTOM (solid shape): 48.13,151.26 46.77,151.26 47.28,151.77 46.77,152.27 48.13,152.27
NETC9_2 on BOTTOM (solid shape): 40.86,148.84 41.37,148.34 40.01,148.34 40.01,149.35 41.37,149.35
NETC10_2 on BOTTOM (solid shape): 109.57,130.81 110.07,130.3 108.71,130.3 108.71,131.32 110.08,131.32
NETC11_1 on BOTTOM (solid shape): 48.13,129.03 47.21,129.03 46.7,129.54 47.21,130.05 48.13,130.05
